# Altium PCB MODULE_4x100_Fx_V1.0.PcbDoc (part 1 of 3)
Units mm, origin at the board's own origin, x right, y up, seen from the top; angles counter-clockwise.
Board outline 87.3 x 95.5 mm, 6 copper layers (Top Layer, Int1 (GND), Int2 (SIG/PWR), Int3 (PWR), Int4 (GND), Bottom Layer), stack 1.452 mm thick; 347 components, 196 nets, 1179 pads, 431 vias.
Unrouted connection lines stored in the file: 11.
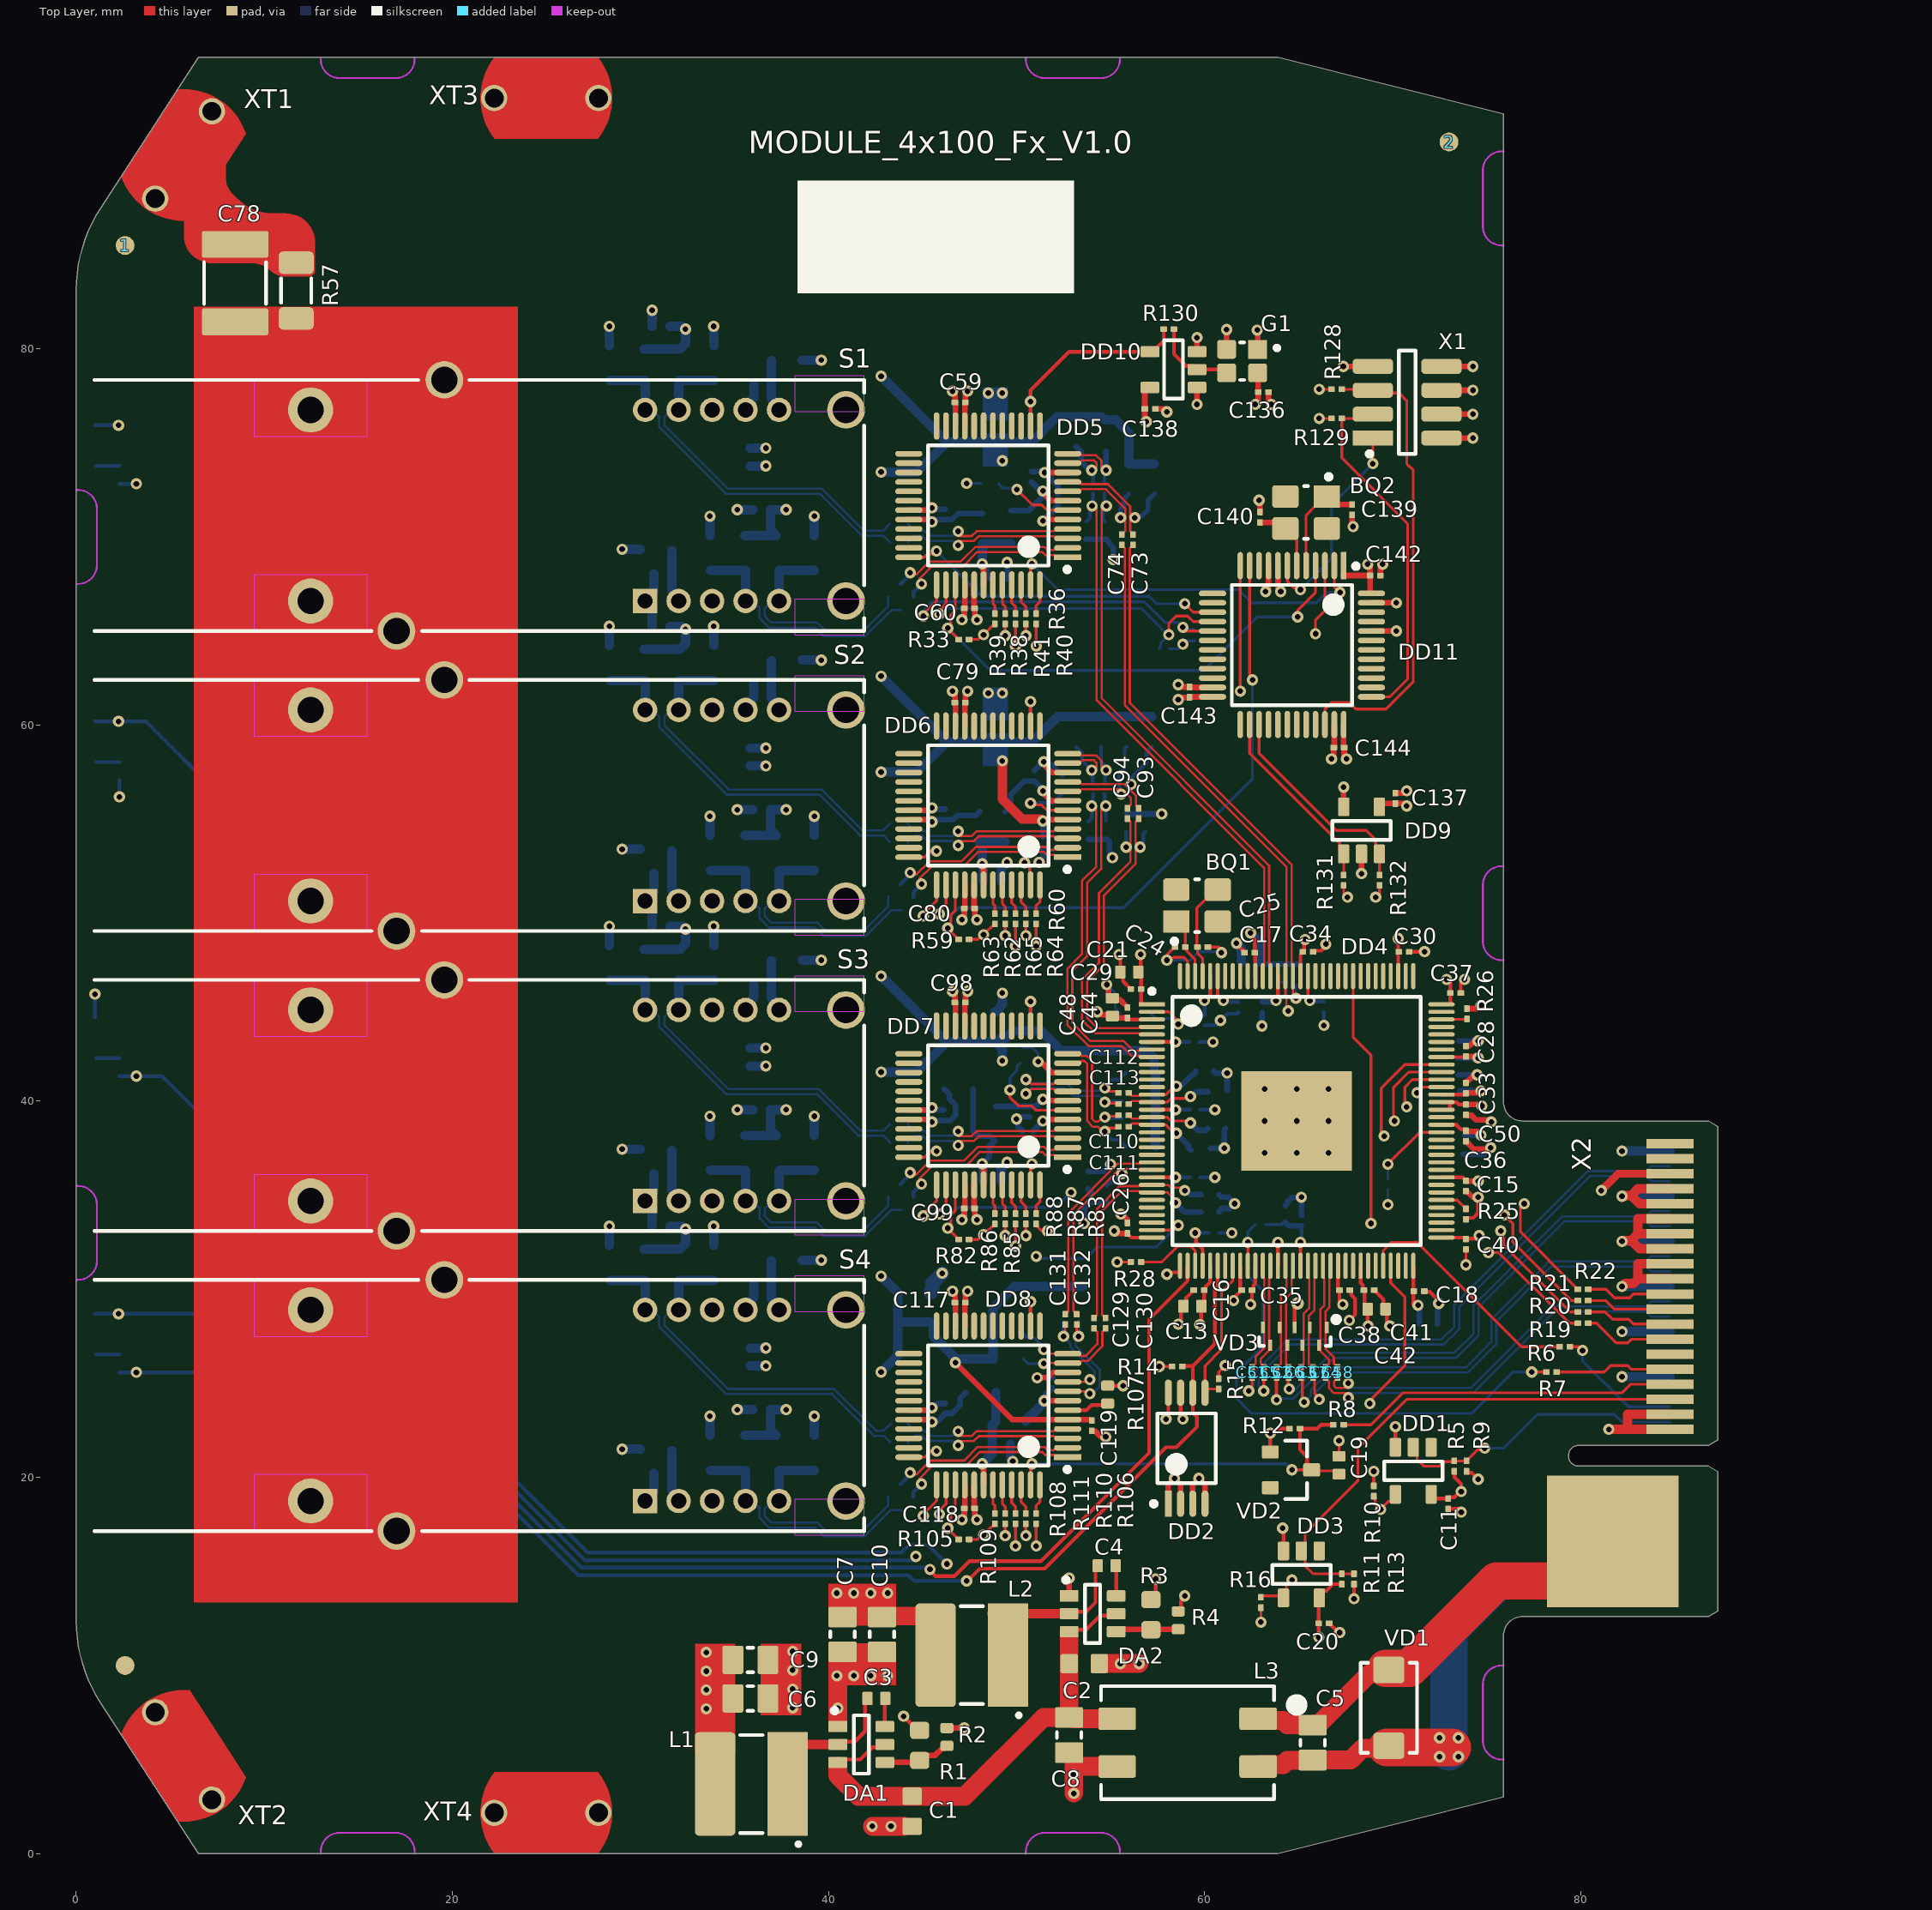
[diagram p0: Top Layer view]
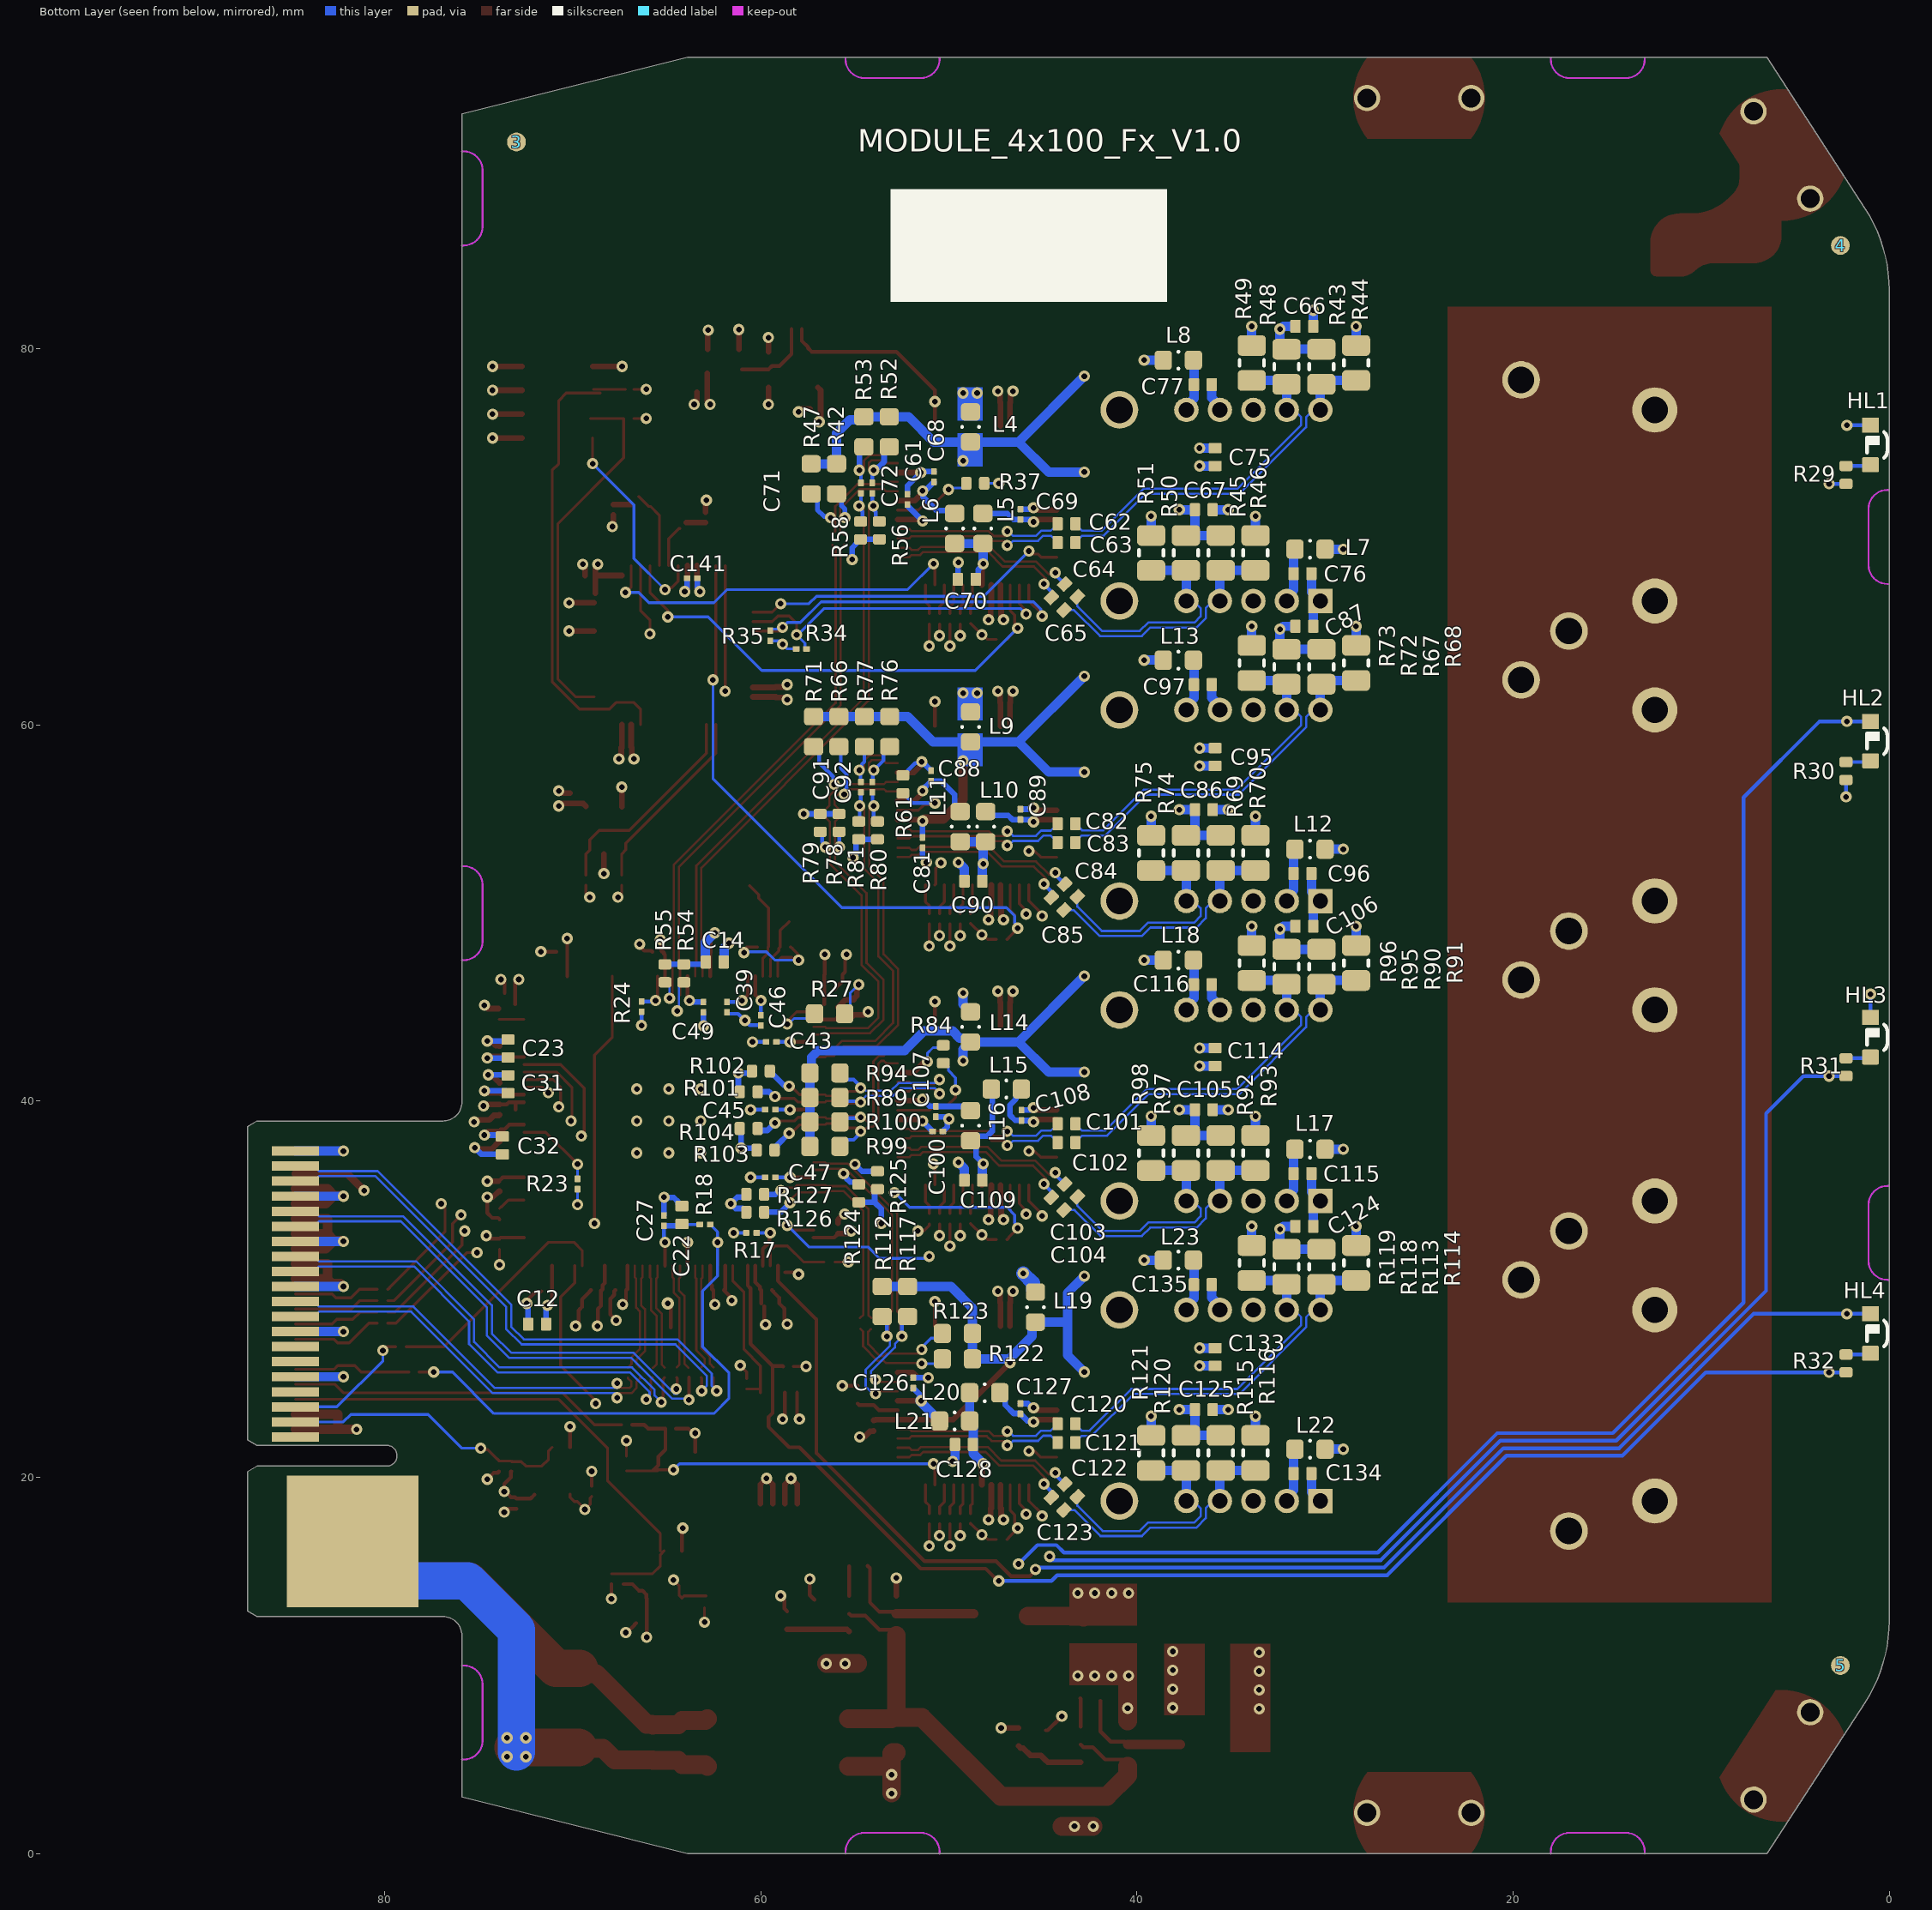
[diagram p1: Bottom Layer view, seen from below]
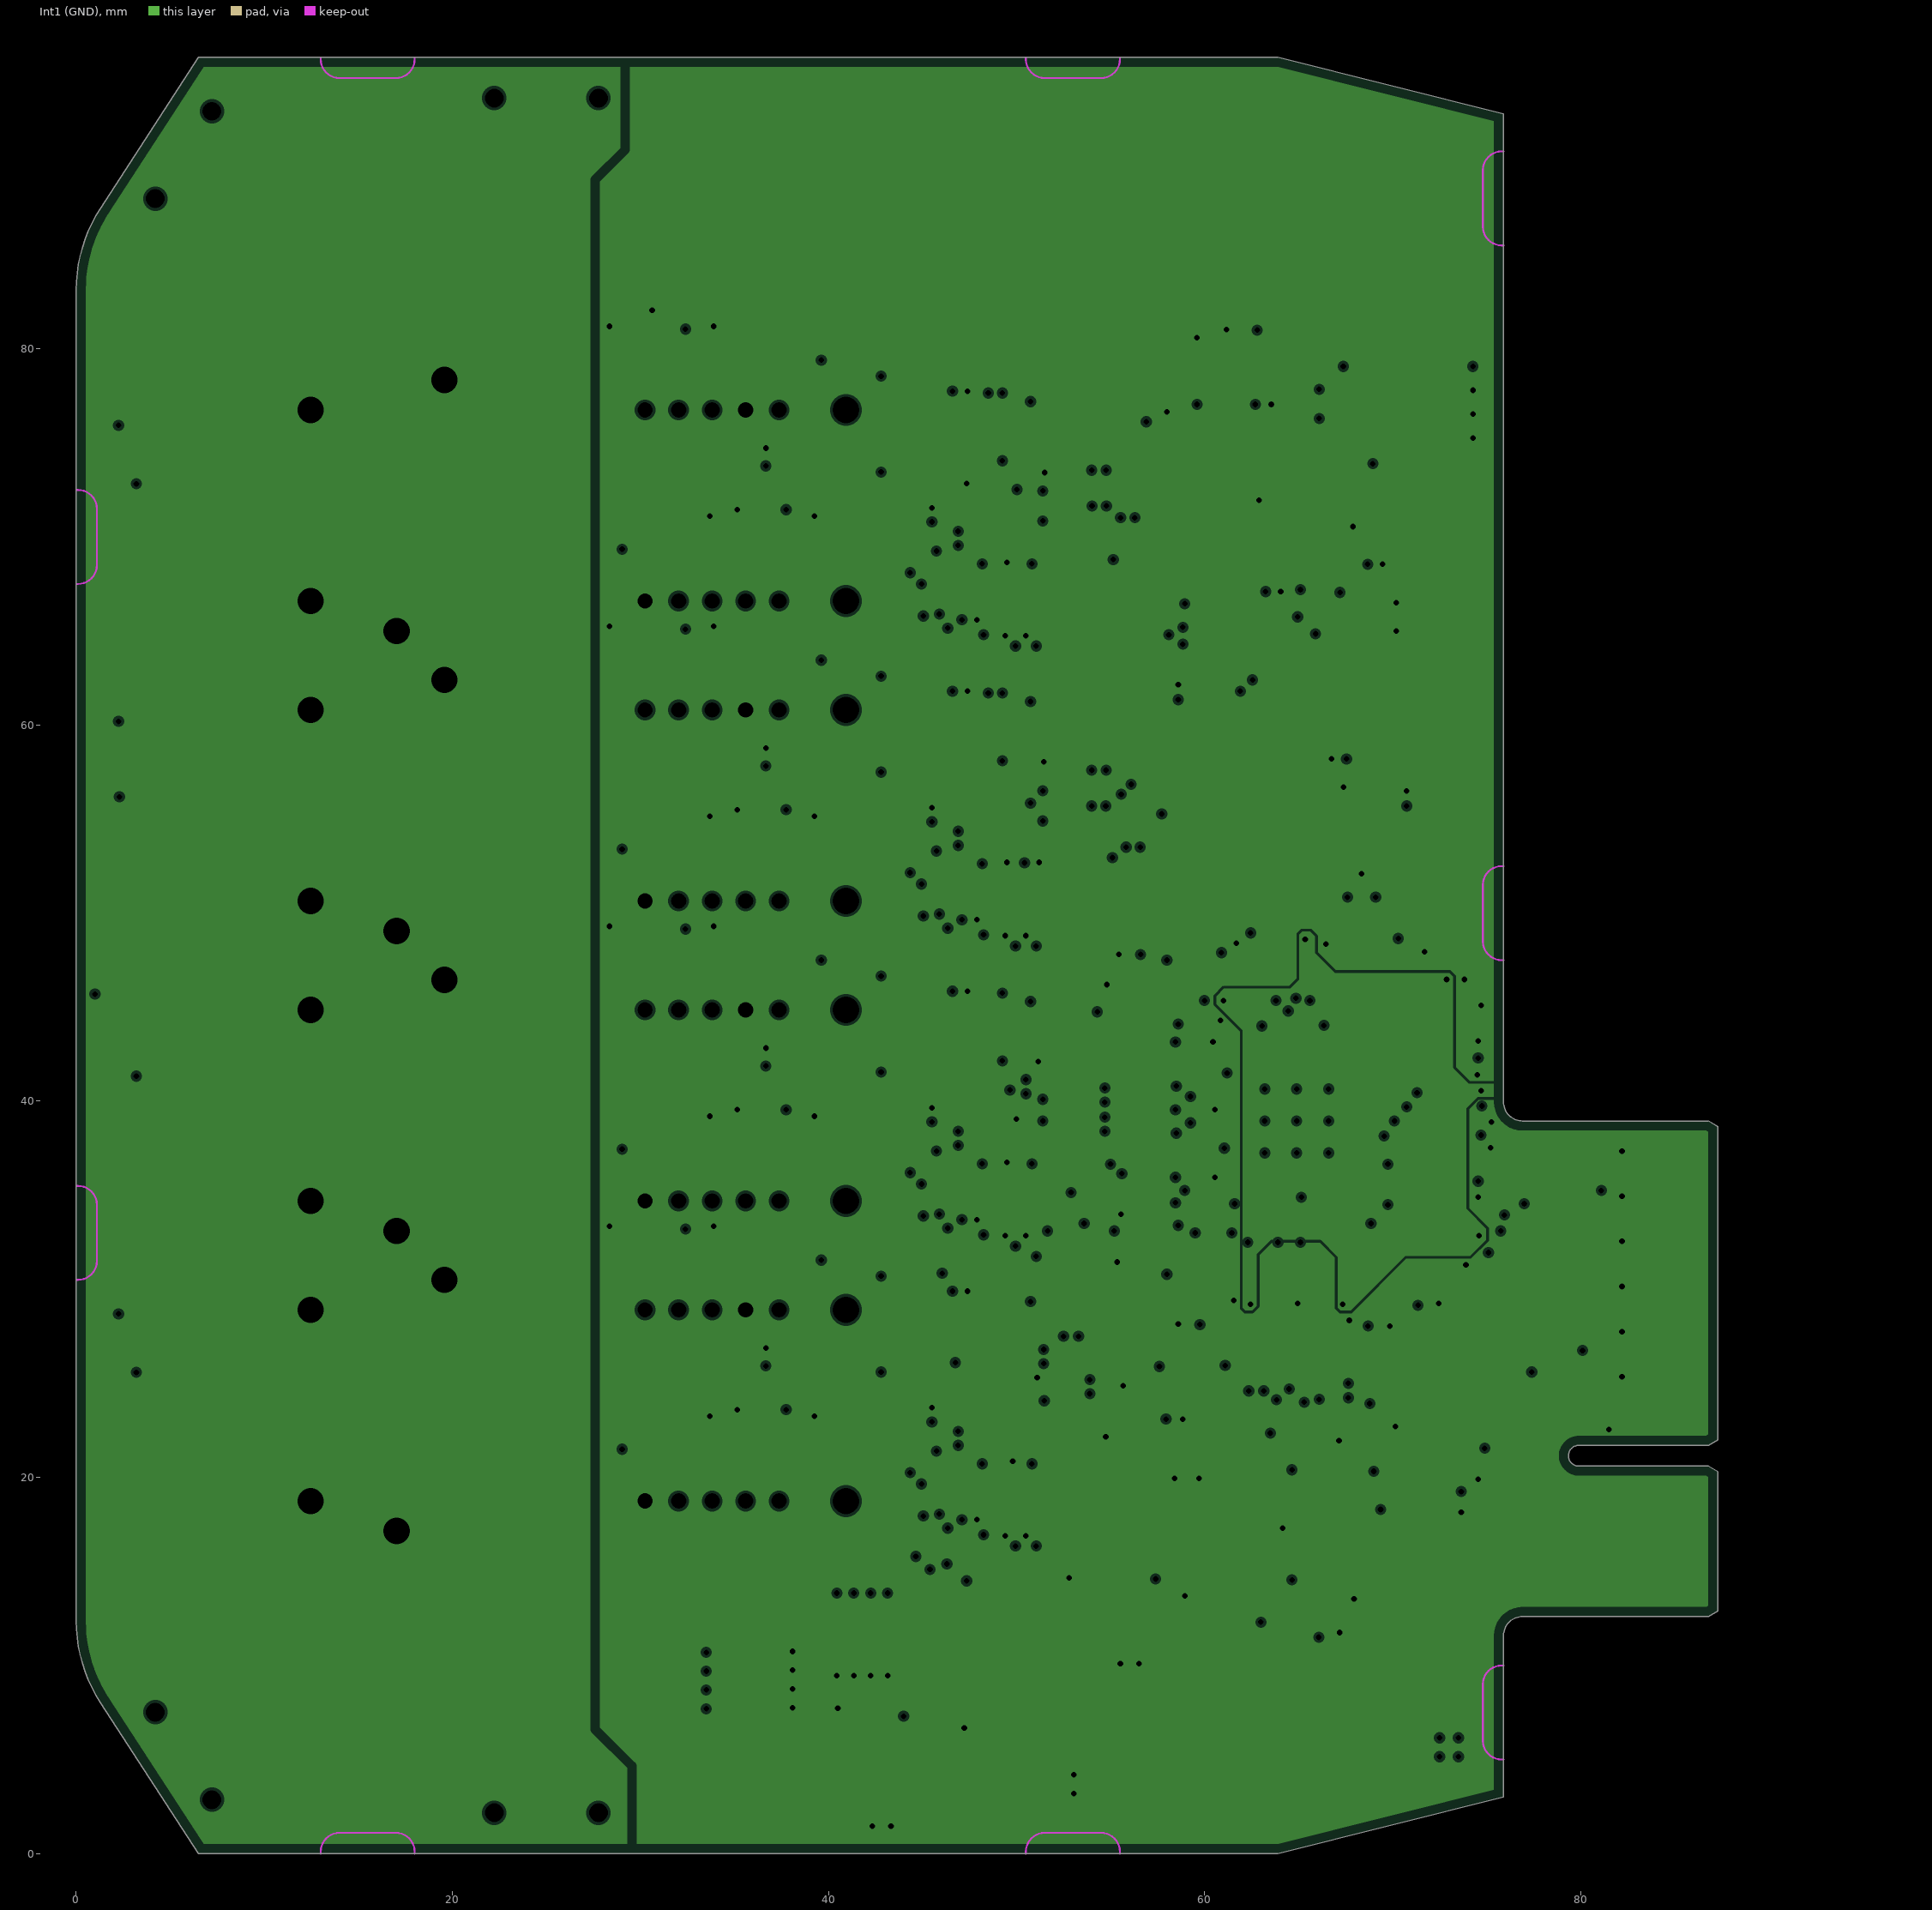
[diagram p2: Int1 (GND), clearances drawn from the general rule]
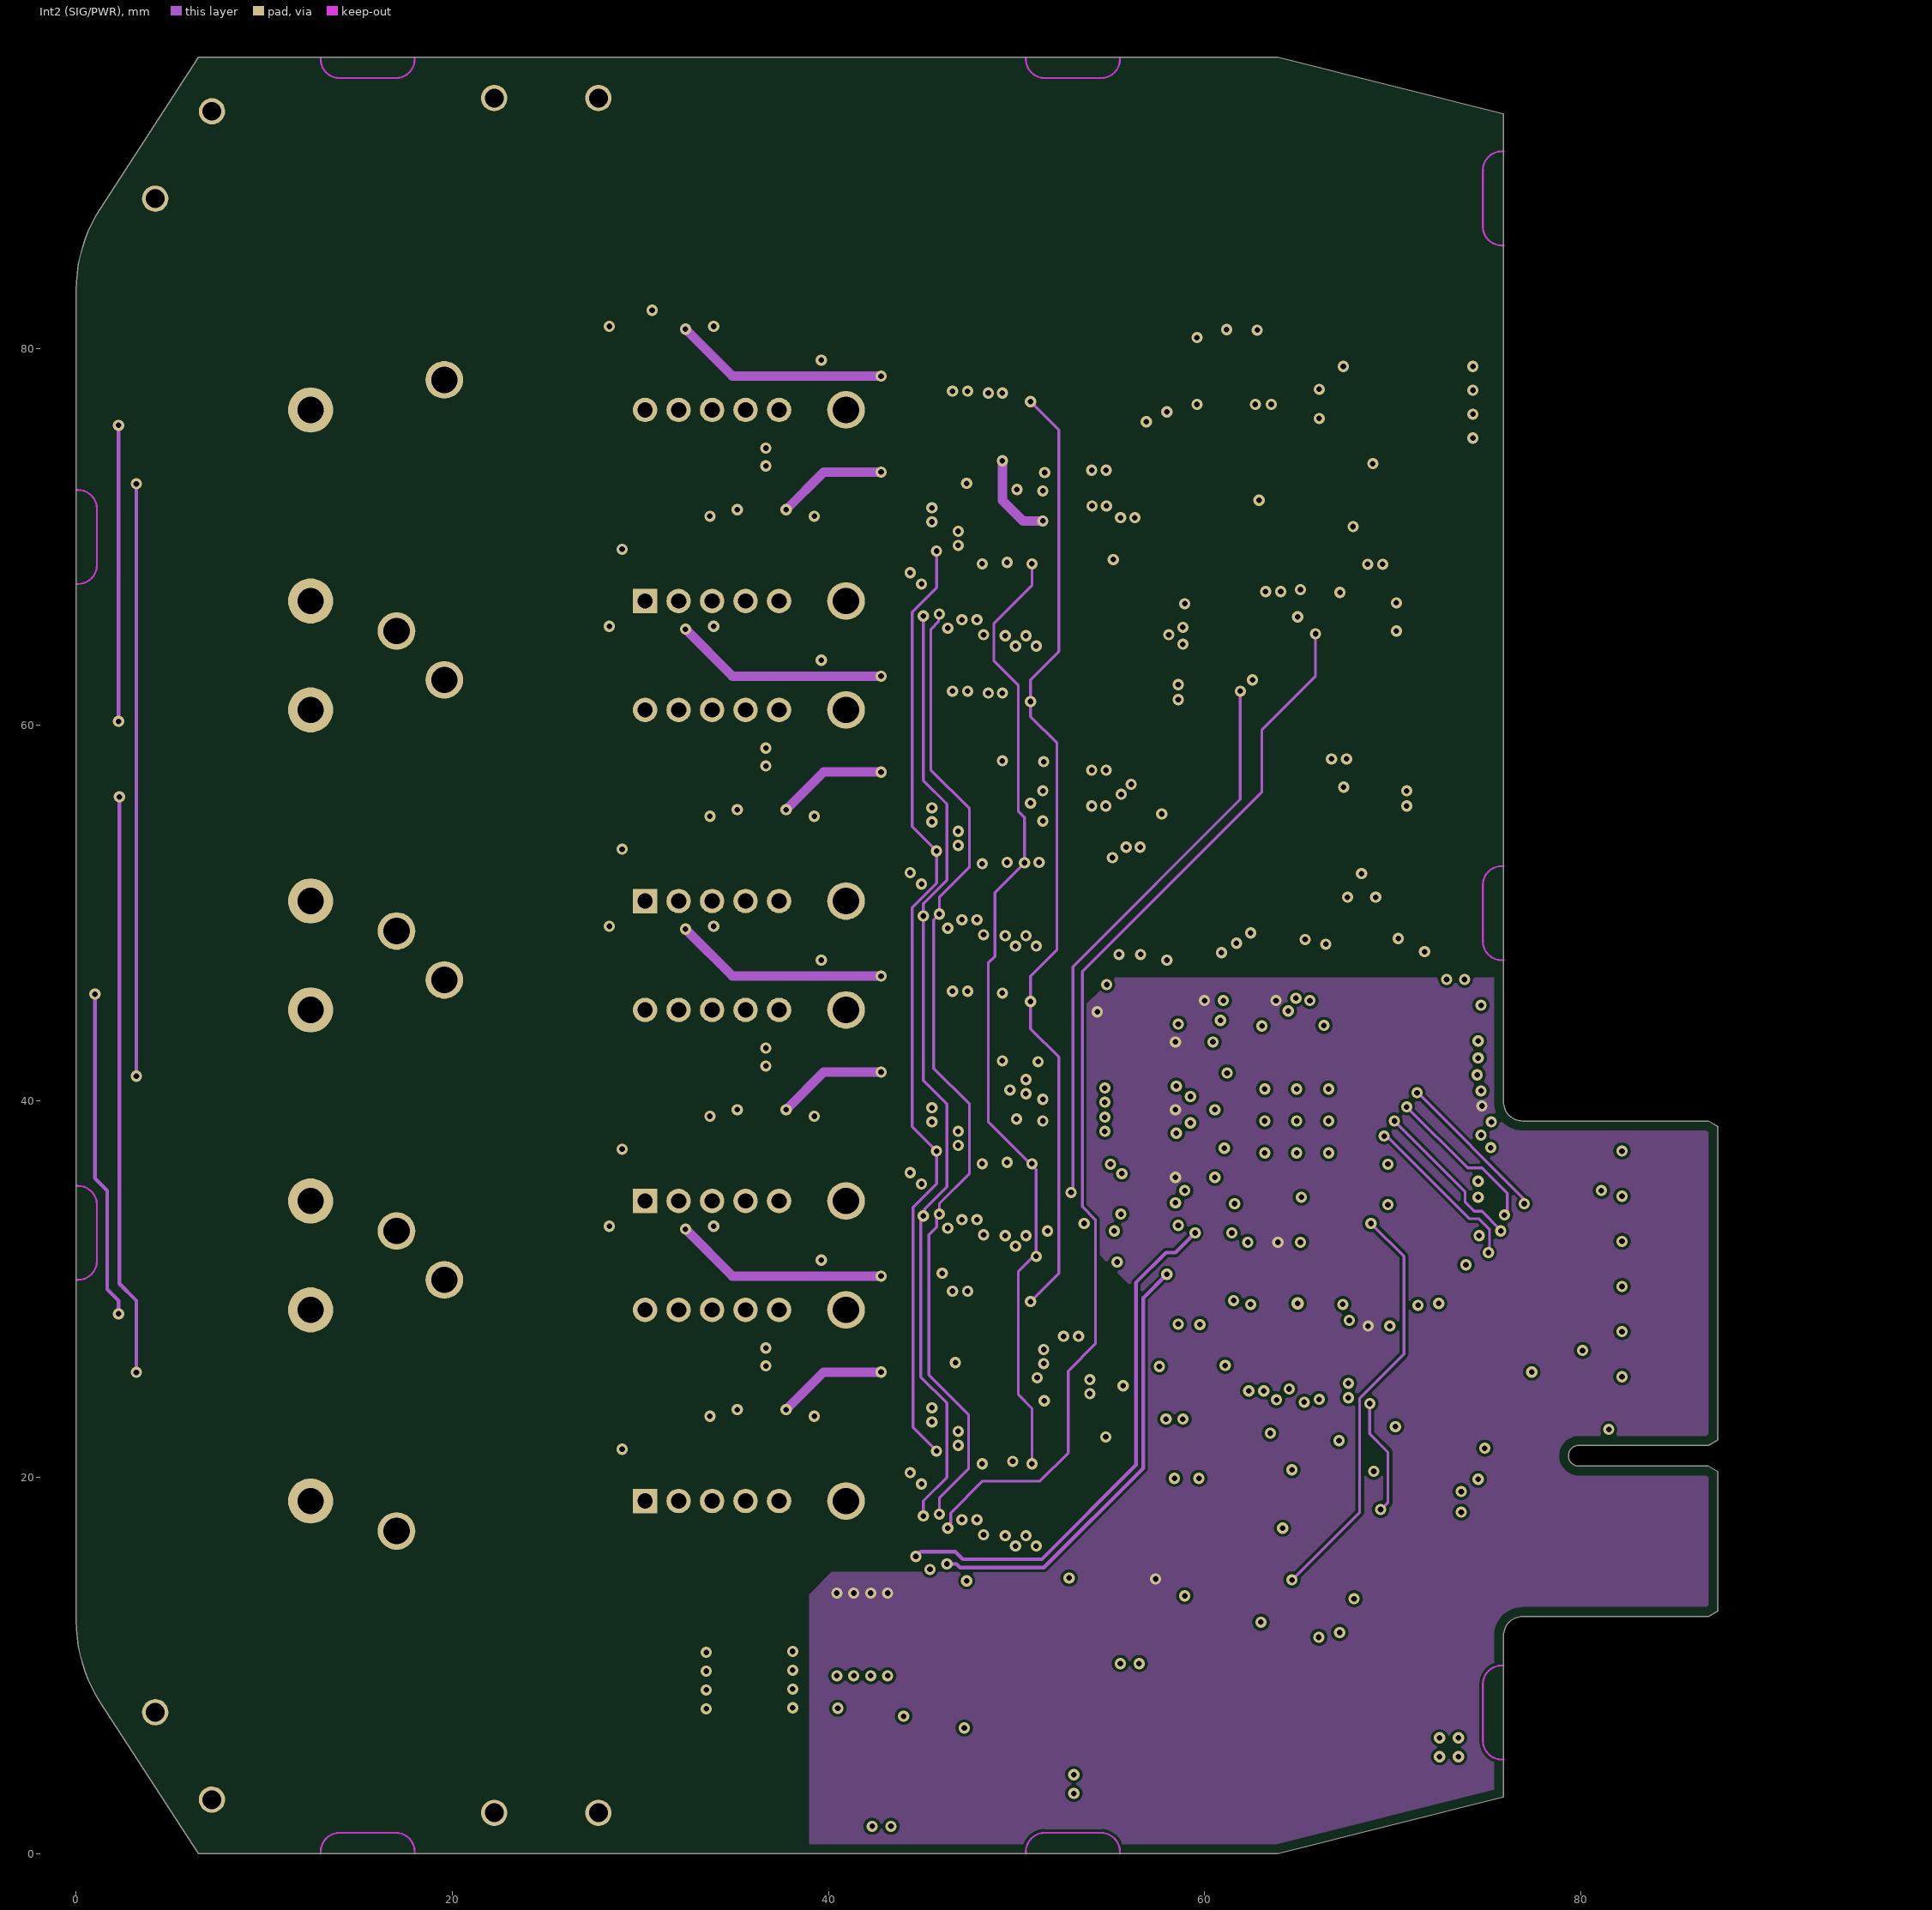
[diagram p3: Int2 (SIG/PWR)]